# Altium PCB Slave.PcbDoc (part 9 of 11)
Units mm, origin at the board's own origin, x right, y up, seen from the top; angles counter-clockwise.
Board outline 380 x 63 mm, 4 copper layers (Top Copper, Signal Layer 1, Signal Layer 2, Bottom Copper), stack 1.586 mm thick; 256 components, 191 nets, 731 pads, 24161 vias.
Unrouted connection lines stored in the file: 14.
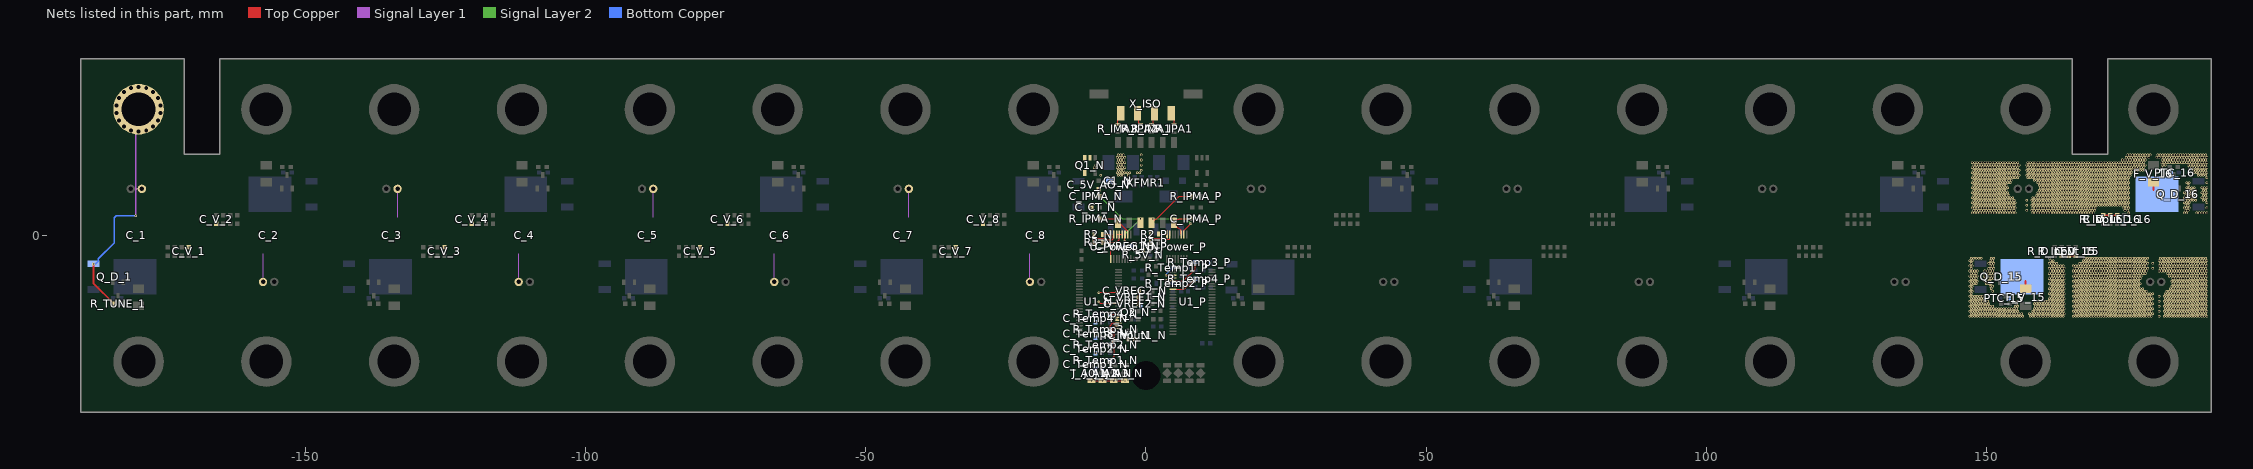
[diagram p11: the nets of this part, all layers, seen from the top]

## Via types
v1: diameter 0.45, hole 0.297, Top Copper to Bottom Copper, tented both sides, 23326 vias
v2: diameter 1, hole 0.7, Top Copper to Bottom Copper, 576 vias
v3: diameter 0.45, hole 0.2, Top Copper to Bottom Copper, 259 vias

## Nets (pads, with @x,y where several pads share a name; then routed paths per layer and width w, separated by ;. In a path a pad name is that pad's centre, name@x,y a point inside that pad or via, vN(x,y) a via of type N, cw(c..) or ccw(c..) an arc to the next point about the centre after c; other vN are vias at no path point) (continued)
F_15: C_V_15.2 F_V_15.2 PTC_15.2 Q_D_15.2 R_D_LED_15.2 R_Input_15.1 | length 3.9
  Top Copper w0.254: R_D_LED_15.2@163.35,-3.6 R_Input_15.1@164.6,-3.6 C_V_15.2@165.85,-3.6
  Top Copper w0.305: F_V_15.2@156.875,-9.48 156.875,-8.1
  other v1: 146.949,-14.45 147.399,-14.45 147.849,-14.45 148.299,-14.45 148.749,-14.45 149.199,-14.45 149.649,-14.45 150.099,-14.45 150.549,-14.45 150.999,-14.45 151.449,-14.45 151.899,-14.45 152.349,-14.45 152.799,-14.45 153.249,-14.45 153.699,-14.45 154.149,-14.45 154.599,-14.45 155.049,-14.45 155.499,-14.45 155.949,-14.45 156.399,-14.45 157.749,-14.45 158.199,-14.45 158.649,-14.45 159.099,-14.45 159.549,-14.45 159.999,-14.45 160.449,-14.45 160.899,-14.45 161.349,-14.45 161.799,-14.45 162.249,-14.45 162.699,-14.45 163.149,-14.45 163.599,-14.45 165.399,-14.45 165.849,-14.45 166.299,-14.45 166.749,-14.45 167.199,-14.45 167.649,-14.45 168.099,-14.45 168.549,-14.45 168.999,-14.45 169.449,-14.45 169.899,-14.45 170.349,-14.45 170.799,-14.45 171.249,-14.45 171.699,-14.45 172.149,-14.45 172.599,-14.45 173.049,-14.45 173.499,-14.45 173.949,-14.45 174.399,-14.45 174.849,-14.45 175.299,-14.45 175.749,-14.45 176.199,-14.45 176.649,-14.45 177.099,-14.45 177.549,-14.45 177.999,-14.45 178.449,-14.45 178.899,-14.45 179.349,-14.45 180.699,-14.45 181.599,-14.45 182.049,-14.45 182.499,-14.45 182.949,-14.45 183.399,-14.45 183.849,-14.45 184.299,-14.45 184.749,-14.45 185.199,-14.45 185.649,-14.45 186.099,-14.45 186.549,-14.45 186.999,-14.45 187.449,-14.45 187.899,-14.45 188.349,-14.45 188.799,-14.45 189.249,-14.45 147.174,-14 147.624,-14 148.074,-14 148.524,-14 148.974,-14 149.424,-14 149.874,-14 150.324,-14 150.774,-14 151.224,-14 151.674,-14 152.124,-14 152.574,-14 153.024,-14 153.474,-14 153.924,-14 154.374,-14 154.824,-14 155.274,-14 155.724,-14 156.174,-14 157.524,-14 157.974,-14 158.424,-14 158.874,-14 159.324,-14 159.774,-14 160.224,-14 160.674,-14 161.124,-14 161.574,-14 162.024,-14 162.474,-14 162.924,-14 163.374,-14 163.824,-14 165.624,-14 166.074,-14 166.524,-14 166.974,-14 167.424,-14 167.874,-14 168.324,-14 168.774,-14 169.224,-14 169.674,-14 170.124,-14 170.574,-14 171.024,-14 171.474,-14 171.924,-14 172.374,-14 172.824,-14 173.274,-14 173.724,-14 174.174,-14 174.624,-14 175.074,-14 175.524,-14 175.974,-14 176.424,-14 176.874,-14 177.324,-14 177.774,-14 178.224,-14 178.674,-14 179.124,-14 179.574,-14 181.824,-14 182.274,-14 182.724,-14 183.174,-14 183.624,-14 184.074,-14 184.524,-14 184.974,-14 185.424,-14 185.874,-14 186.324,-14 186.774,-14 187.224,-14 187.674,-14 188.124,-14 188.574,-14 189.024,-14 146.949,-13.55 147.399,-13.55 147.849,-13.55 148.299,-13.55 148.749,-13.55 149.199,-13.55 149.649,-13.55 150.099,-13.55 150.549,-13.55 150.999,-13.55 151.449,-13.55 151.899,-13.55 152.349,-13.55 152.799,-13.55 153.249,-13.55 153.699,-13.55 154.149,-13.55 154.599,-13.55 155.049,-13.55 155.499,-13.55 158.199,-13.55 158.649,-13.55 159.099,-13.55 159.549,-13.55 159.999,-13.55 160.449,-13.55 160.899,-13.55 161.349,-13.55 161.799,-13.55 162.249,-13.55 162.699,-13.55 163.149,-13.55 163.599,-13.55 165.399,-13.55 165.849,-13.55 166.299,-13.55 166.749,-13.55 167.199,-13.55 167.649,-13.55 168.099,-13.55 168.549,-13.55 168.999,-13.55 169.449,-13.55 169.899,-13.55 170.349,-13.55 170.799,-13.55 171.249,-13.55 171.699,-13.55 172.149,-13.55 172.599,-13.55 173.049,-13.55 173.499,-13.55 173.949,-13.55 174.399,-13.55 174.849,-13.55 175.299,-13.55 175.749,-13.55 176.199,-13.55 176.649,-13.55 177.099,-13.55 177.549,-13.55 177.999,-13.55 178.449,-13.55 178.899,-13.55 179.349,-13.55 180.699,-13.55 181.599,-13.55 182.049,-13.55 182.499,-13.55 182.949,-13.55 183.399,-13.55 183.849,-13.55 184.299,-13.55 184.749,-13.55 185.199,-13.55 185.649,-13.55 186.099,-13.55 186.549,-13.55 186.999,-13.55 187.449,-13.55 187.899,-13.55 188.349,-13.55 188.799,-13.55 189.249,-13.55 147.174,-13.1 147.624,-13.1 148.074,-13.1 148.524,-13.1 148.974,-13.1 149.424,-13.1 149.874,-13.1 150.324,-13.1 150.774,-13.1 151.224,-13.1 151.674,-13.1 152.124,-13.1 152.574,-13.1 153.024,-13.1 153.474,-13.1 153.924,-13.1 154.374,-13.1 154.824,-13.1 155.274,-13.1 158.424,-13.1 158.874,-13.1 159.324,-13.1 159.774,-13.1 160.224,-13.1 160.674,-13.1 161.124,-13.1 161.574,-13.1 162.024,-13.1 162.474,-13.1 162.924,-13.1 163.374,-13.1 163.824,-13.1 165.624,-13.1 166.074,-13.1 166.524,-13.1 166.974,-13.1 167.424,-13.1 167.874,-13.1 168.324,-13.1 168.774,-13.1 169.224,-13.1 169.674,-13.1 170.124,-13.1 170.574,-13.1 171.024,-13.1 171.474,-13.1 171.924,-13.1 172.374,-13.1 172.824,-13.1 173.274,-13.1 173.724,-13.1 174.174,-13.1 174.624,-13.1 175.074,-13.1 175.524,-13.1 175.974,-13.1 176.424,-13.1 176.874,-13.1 177.324,-13.1 177.774,-13.1 178.224,-13.1 178.674,-13.1 179.124,-13.1 179.574,-13.1 181.824,-13.1 182.274,-13.1 182.724,-13.1 183.174,-13.1 183.624,-13.1 184.074,-13.1 184.524,-13.1 184.974,-13.1 185.424,-13.1 185.874,-13.1 186.324,-13.1 186.774,-13.1 187.224,-13.1 187.674,-13.1 188.124,-13.1 188.574,-13.1 189.024,-13.1 146.949,-12.65 147.399,-12.65 147.849,-12.65 148.299,-12.65 148.749,-12.65 149.199,-12.65 149.649,-12.65 150.099,-12.65 150.549,-12.65 150.999,-12.65 155.049,-12.65 155.499,-12.65 158.649,-12.65 159.099,-12.65 159.549,-12.65 159.999,-12.65 160.449,-12.65 160.899,-12.65 161.349,-12.65 161.799,-12.65 162.249,-12.65 162.699,-12.65 163.149,-12.65 163.599,-12.65 165.399,-12.65 165.849,-12.65 166.299,-12.65 166.749,-12.65 167.199,-12.65 167.649,-12.65 168.099,-12.65 168.549,-12.65 168.999,-12.65 169.449,-12.65 169.899,-12.65 170.349,-12.65 170.799,-12.65 171.249,-12.65 171.699,-12.65 172.149,-12.65 172.599,-12.65 173.049,-12.65 173.499,-12.65 173.949,-12.65 174.399,-12.65 174.849,-12.65 175.299,-12.65 175.749,-12.65 176.199,-12.65 176.649,-12.65 177.099,-12.65 177.549,-12.65 177.999,-12.65 178.449,-12.65 178.899,-12.65 179.349,-12.65 180.699,-12.65 181.599,-12.65 182.049,-12.65 182.499,-12.65 182.949,-12.65 183.399,-12.65 183.849,-12.65 184.299,-12.65 184.749,-12.65 185.199,-12.65 185.649,-12.65 186.099,-12.65 186.549,-12.65 186.999,-12.65 187.449,-12.65 187.899,-12.65 188.349,-12.65 188.799,-12.65 189.249,-12.65 147.174,-12.2 147.624,-12.2 148.074,-12.2 148.524,-12.2 148.974,-12.2 149.424,-12.2 149.874,-12.2 150.324,-12.2 155.274,-12.2 158.424,-12.2 158.874,-12.2 159.324,-12.2 159.774,-12.2 160.224,-12.2 160.674,-12.2 161.124,-12.2 161.574,-12.2 162.024,-12.2 162.474,-12.2 162.924,-12.2 163.374,-12.2 163.824,-12.2 165.624,-12.2 166.074,-12.2 166.524,-12.2 166.974,-12.2 167.424,-12.2 167.874,-12.2 168.324,-12.2 168.774,-12.2 169.224,-12.2 169.674,-12.2 170.124,-12.2 170.574,-12.2 171.024,-12.2 171.474,-12.2 171.924,-12.2 172.374,-12.2 172.824,-12.2 173.274,-12.2 173.724,-12.2 174.174,-12.2 174.624,-12.2 175.074,-12.2 175.524,-12.2 175.974,-12.2 176.424,-12.2 176.874,-12.2 177.324,-12.2 177.774,-12.2 178.224,-12.2 178.674,-12.2 179.124,-12.2 179.574,-12.2 181.824,-12.2 182.274,-12.2 182.724,-12.2 183.174,-12.2 183.624,-12.2 184.074,-12.2 184.524,-12.2 184.974,-12.2 185.424,-12.2 185.874,-12.2 186.324,-12.2 186.774,-12.2 187.224,-12.2 187.674,-12.2 188.124,-12.2 188.574,-12.2 189.024,-12.2 146.949,-11.75 147.399,-11.75 147.849,-11.75 148.299,-11.75 148.749,-11.75 149.199,-11.75 149.649,-11.75 150.099,-11.75 155.499,-11.75 158.649,-11.75 159.099,-11.75 159.549,-11.75 159.999,-11.75 160.449,-11.75 160.899,-11.75 161.349,-11.75 161.799,-11.75 162.249,-11.75 162.699,-11.75 163.149,-11.75 163.599,-11.75 165.399,-11.75 165.849,-11.75 166.299,-11.75 166.749,-11.75 167.199,-11.75 167.649,-11.75 168.099,-11.75 168.549,-11.75 168.999,-11.75 169.449,-11.75 169.899,-11.75 170.349,-11.75 170.799,-11.75 171.249,-11.75 171.699,-11.75 172.149,-11.75 172.599,-11.75 173.049,-11.75 173.499,-11.75 173.949,-11.75 174.399,-11.75 174.849,-11.75 175.299,-11.75 175.749,-11.75 176.199,-11.75 176.649,-11.75 177.099,-11.75 177.549,-11.75 177.999,-11.75 178.449,-11.75 178.899,-11.75 179.349,-11.75 180.699,-11.75 181.599,-11.75 182.049,-11.75 182.499,-11.75 182.949,-11.75 183.399,-11.75 183.849,-11.75 184.299,-11.75 184.749,-11.75 185.199,-11.75 185.649,-11.75 186.099,-11.75 186.549,-11.75 186.999,-11.75 187.449,-11.75 187.899,-11.75 188.349,-11.75 188.799,-11.75 189.249,-11.75 147.174,-11.3 147.624,-11.3 148.074,-11.3 148.524,-11.3 148.974,-11.3 149.424,-11.3 161.124,-11.3 161.574,-11.3 162.024,-11.3 162.474,-11.3 162.924,-11.3 163.374,-11.3 163.824,-11.3 165.624,-11.3 166.074,-11.3 166.524,-11.3 166.974,-11.3 167.424,-11.3 167.874,-11.3 168.324,-11.3 168.774,-11.3 169.224,-11.3 169.674,-11.3 170.124,-11.3 170.574,-11.3 171.024,-11.3 171.474,-11.3 171.924,-11.3 172.374,-11.3 172.824,-11.3 173.274,-11.3 173.724,-11.3 174.174,-11.3 174.624,-11.3 175.074,-11.3 175.524,-11.3 175.974,-11.3 176.424,-11.3 176.874,-11.3 177.324,-11.3 177.774,-11.3 178.224,-11.3 178.674,-11.3 179.124,-11.3 179.574,-11.3 181.824,-11.3 182.274,-11.3 182.724,-11.3 183.174,-11.3 183.624,-11.3 184.074,-11.3 184.524,-11.3 184.974,-11.3 185.424,-11.3 185.874,-11.3 186.324,-11.3 186.774,-11.3 187.224,-11.3 187.674,-11.3 188.124,-11.3 188.574,-11.3 189.024,-11.3 146.949,-10.85 147.399,-10.85 147.849,-10.85 148.299,-10.85 148.749,-10.85 149.199,-10.85 161.349,-10.85 161.799,-10.85 162.249,-10.85 162.699,-10.85 163.149,-10.85 163.599,-10.85 165.399,-10.85 165.849,-10.85 166.299,-10.85 166.749,-10.85 167.199,-10.85 167.649,-10.85 168.099,-10.85 168.549,-10.85 168.999,-10.85 169.449,-10.85 169.899,-10.85 170.349,-10.85 170.799,-10.85 171.249,-10.85 171.699,-10.85 172.149,-10.85 172.599,-10.85 173.049,-10.85 173.499,-10.85 173.949,-10.85 174.399,-10.85 174.849,-10.85 175.299,-10.85 175.749,-10.85 176.199,-10.85 176.649,-10.85 177.099,-10.85 177.549,-10.85 177.999,-10.85 178.449,-10.85 178.899,-10.85 179.349,-10.85 180.699,-10.85 181.599,-10.85 182.049,-10.85 182.499,-10.85 182.949,-10.85 183.399,-10.85 183.849,-10.85 184.299,-10.85 184.749,-10.85 185.199,-10.85 185.649,-10.85 186.099,-10.85 186.549,-10.85 186.999,-10.85 187.449,-10.85 187.899,-10.85 188.349,-10.85 188.799,-10.85 189.249,-10.85 147.174,-10.4 161.124,-10.4 161.574,-10.4 162.024,-10.4 162.474,-10.4 162.924,-10.4 163.374,-10.4 163.824,-10.4 165.624,-10.4 166.074,-10.4 166.524,-10.4 166.974,-10.4 167.424,-10.4 167.874,-10.4 168.324,-10.4 168.774,-10.4 169.224,-10.4 169.674,-10.4 170.124,-10.4 170.574,-10.4 171.024,-10.4 171.474,-10.4 171.924,-10.4 172.374,-10.4 172.824,-10.4 173.274,-10.4 173.724,-10.4 174.174,-10.4 174.624,-10.4 175.074,-10.4 175.524,-10.4 175.974,-10.4 176.424,-10.4 176.874,-10.4 177.324,-10.4 177.774,-10.4 178.224,-10.4 178.674,-10.4 179.124,-10.4 179.574,-10.4 181.824,-10.4 182.274,-10.4 182.724,-10.4 183.174,-10.4 183.624,-10.4 184.074,-10.4 184.524,-10.4 184.974,-10.4 185.424,-10.4 185.874,-10.4 186.324,-10.4 186.774,-10.4 187.224,-10.4 187.674,-10.4 188.124,-10.4 188.574,-10.4 189.024,-10.4 146.949,-9.95 147.399,-9.95 150.999,-9.95 161.349,-9.95 161.799,-9.95 162.249,-9.95 162.699,-9.95 163.149,-9.95 163.599,-9.95 165.399,-9.95 165.849,-9.95 166.299,-9.95 166.749,-9.95 167.199,-9.95 167.649,-9.95 168.099,-9.95 168.549,-9.95 168.999,-9.95 169.449,-9.95 169.899,-9.95 170.349,-9.95 170.799,-9.95 171.249,-9.95 171.699,-9.95 172.149,-9.95 172.599,-9.95 173.049,-9.95 173.499,-9.95 173.949,-9.95 174.399,-9.95 174.849,-9.95 175.299,-9.95 175.749,-9.95 176.199,-9.95 176.649,-9.95 177.099,-9.95 177.549,-9.95 177.999,-9.95 178.449,-9.95 182.049,-9.95 182.499,-9.95 182.949,-9.95 183.399,-9.95 183.849,-9.95 184.299,-9.95 184.749,-9.95 185.199,-9.95 185.649,-9.95 186.099,-9.95 186.549,-9.95 186.999,-9.95 187.449,-9.95 187.899,-9.95 188.349,-9.95 188.799,-9.95 189.249,-9.95 147.174,-9.5 150.774,-9.5 161.124,-9.5 161.574,-9.5 162.024,-9.5 162.474,-9.5 162.924,-9.5 163.374,-9.5 163.824,-9.5 165.624,-9.5 166.074,-9.5 166.524,-9.5 166.974,-9.5 167.424,-9.5 167.874,-9.5 168.324,-9.5 168.774,-9.5 169.224,-9.5 169.674,-9.5 170.124,-9.5 170.574,-9.5 171.024,-9.5 171.474,-9.5 171.924,-9.5 172.374,-9.5 172.824,-9.5 173.274,-9.5 173.724,-9.5 174.174,-9.5 174.624,-9.5 175.074,-9.5 175.524,-9.5 175.974,-9.5 176.424,-9.5 176.874,-9.5 177.324,-9.5 177.774,-9.5 182.724,-9.5 183.174,-9.5 183.624,-9.5 184.074,-9.5 184.524,-9.5 184.974,-9.5 185.424,-9.5 185.874,-9.5 186.324,-9.5 186.774,-9.5 187.224,-9.5 187.674,-9.5 188.124,-9.5 188.574,-9.5 189.024,-9.5 146.949,-9.05 147.399,-9.05 150.549,-9.05 150.999,-9.05 161.349,-9.05 161.799,-9.05 162.249,-9.05 162.699,-9.05 163.149,-9.05 163.599,-9.05 165.399,-9.05 165.849,-9.05 166.299,-9.05 166.749,-9.05 167.199,-9.05 167.649,-9.05 168.099,-9.05 168.549,-9.05 168.999,-9.05 169.449,-9.05 169.899,-9.05 170.349,-9.05 170.799,-9.05 171.249,-9.05 171.699,-9.05 172.149,-9.05 172.599,-9.05 173.049,-9.05 173.499,-9.05 173.949,-9.05 174.399,-9.05 174.849,-9.05 175.299,-9.05 175.749,-9.05 176.199,-9.05 176.649,-9.05 177.099,-9.05 182.949,-9.05 183.399,-9.05 183.849,-9.05 184.299,-9.05 184.749,-9.05 185.199,-9.05 185.649,-9.05 186.099,-9.05 186.549,-9.05 186.999,-9.05 187.449,-9.05 187.899,-9.05 188.349,-9.05 188.799,-9.05 189.249,-9.05 147.174,-8.6 147.624,-8.6 148.074,-8.6 149.874,-8.6 150.324,-8.6 150.774,-8.6 161.124,-8.6 161.574,-8.6 162.024,-8.6 162.474,-8.6 162.924,-8.6 163.374,-8.6 163.824,-8.6 165.624,-8.6 166.074,-8.6 166.524,-8.6 166.974,-8.6 167.424,-8.6 167.874,-8.6 168.324,-8.6 168.774,-8.6 169.224,-8.6 169.674,-8.6 170.124,-8.6 170.574,-8.6 171.024,-8.6 171.474,-8.6 171.924,-8.6 172.374,-8.6 172.824,-8.6 173.274,-8.6 173.724,-8.6 174.174,-8.6 174.624,-8.6 175.074,-8.6 175.524,-8.6 175.974,-8.6 176.424,-8.6 176.874,-8.6 177.324,-8.6 183.174,-8.6 183.624,-8.6 184.074,-8.6 184.524,-8.6 184.974,-8.6 185.424,-8.6 185.874,-8.6 186.324,-8.6 186.774,-8.6 187.224,-8.6 187.674,-8.6 188.124,-8.6 188.574,-8.6 189.024,-8.6 146.949,-8.15 147.399,-8.15 147.849,-8.15 148.299,-8.15 149.649,-8.15 150.099,-8.15 150.549,-8.15 161.349,-8.15 161.799,-8.15 162.249,-8.15 162.699,-8.15 163.149,-8.15 163.599,-8.15 165.399,-8.15 165.849,-8.15 166.299,-8.15 166.749,-8.15 167.199,-8.15 167.649,-8.15 168.099,-8.15 168.549,-8.15 168.999,-8.15 169.449,-8.15 169.899,-8.15 170.349,-8.15 170.799,-8.15 171.249,-8.15 171.699,-8.15 172.149,-8.15 172.599,-8.15 173.049,-8.15 173.499,-8.15 173.949,-8.15 174.399,-8.15 174.849,-8.15 175.299,-8.15 175.749,-8.15 176.199,-8.15 176.649,-8.15 177.099,-8.15 182.949,-8.15 183.399,-8.15 183.849,-8.15 184.299,-8.15 184.749,-8.15 185.199,-8.15 185.649,-8.15 186.099,-8.15 186.549,-8.15 186.999,-8.15 187.449,-8.15 187.899,-8.15 188.349,-8.15 188.799,-8.15 189.249,-8.15 147.174,-7.7 147.624,-7.7 148.074,-7.7 149.424,-7.7 149.874,-7.7 150.324,-7.7 150.774,-7.7 151.224,-7.7 161.124,-7.7 161.574,-7.7 162.024,-7.7 162.474,-7.7 162.924,-7.7 163.374,-7.7 163.824,-7.7 165.624,-7.7 166.074,-7.7 166.524,-7.7 166.974,-7.7 167.424,-7.7 167.874,-7.7 168.324,-7.7 168.774,-7.7 169.224,-7.7 169.674,-7.7 170.124,-7.7 170.574,-7.7 171.024,-7.7 171.474,-7.7 171.924,-7.7 172.374,-7.7 172.824,-7.7 173.274,-7.7 173.724,-7.7 174.174,-7.7 174.624,-7.7 175.074,-7.7 175.524,-7.7 175.974,-7.7 176.424,-7.7 176.874,-7.7 177.324,-7.7 183.174,-7.7 183.624,-7.7 184.074,-7.7 184.524,-7.7 184.974,-7.7 185.424,-7.7 185.874,-7.7 186.324,-7.7 186.774,-7.7 187.224,-7.7 187.674,-7.7 188.124,-7.7 188.574,-7.7 189.024,-7.7 146.949,-7.25 147.399,-7.25 147.849,-7.25 148.299,-7.25 149.649,-7.25 150.099,-7.25 150.549,-7.25 150.999,-7.25 161.349,-7.25 161.799,-7.25 162.249,-7.25 162.699,-7.25 163.149,-7.25 163.599,-7.25 165.399,-7.25 165.849,-7.25 166.299,-7.25 166.749,-7.25 167.199,-7.25 167.649,-7.25 168.099,-7.25 168.549,-7.25 168.999,-7.25 169.449,-7.25 169.899,-7.25 170.349,-7.25 170.799,-7.25 171.249,-7.25 171.699,-7.25 172.149,-7.25 172.599,-7.25 173.049,-7.25 173.499,-7.25 173.949,-7.25 174.399,-7.25 174.849,-7.25 175.299,-7.25 175.749,-7.25 176.199,-7.25 176.649,-7.25 177.099,-7.25 177.549,-7.25 182.499,-7.25 182.949,-7.25 183.399,-7.25 183.849,-7.25 184.299,-7.25 184.749,-7.25 185.199,-7.25 185.649,-7.25 186.099,-7.25 186.549,-7.25 186.999,-7.25 187.449,-7.25 187.899,-7.25 188.349,-7.25 188.799,-7.25 189.249,-7.25 147.174,-6.8 147.624,-6.8 148.074,-6.8 149.424,-6.8 149.874,-6.8 150.324,-6.8 150.774,-6.8 151.224,-6.8 161.124,-6.8 161.574,-6.8 162.024,-6.8 162.474,-6.8 162.924,-6.8 163.374,-6.8 163.824,-6.8 165.624,-6.8 166.074,-6.8 166.524,-6.8 166.974,-6.8 167.424,-6.8 167.874,-6.8 168.324,-6.8 168.774,-6.8 169.224,-6.8 169.674,-6.8 170.124,-6.8 170.574,-6.8 171.024,-6.8 171.474,-6.8 171.924,-6.8 172.374,-6.8 172.824,-6.8 173.274,-6.8 173.724,-6.8 174.174,-6.8 174.624,-6.8 175.074,-6.8 175.524,-6.8 175.974,-6.8 176.424,-6.8 176.874,-6.8 177.324,-6.8 177.774,-6.8 178.224,-6.8 182.274,-6.8 182.724,-6.8 183.174,-6.8 183.624,-6.8 184.074,-6.8 184.524,-6.8 184.974,-6.8 185.424,-6.8 185.874,-6.8 186.324,-6.8 186.774,-6.8 187.224,-6.8 187.674,-6.8 188.124,-6.8 188.574,-6.8 189.024,-6.8 146.949,-6.35 147.399,-6.35 147.849,-6.35 148.299,-6.35 149.649,-6.35 150.099,-6.35 150.549,-6.35 150.999,-6.35 161.349,-6.35 161.799,-6.35 162.249,-6.35 162.699,-6.35 163.149,-6.35 163.599,-6.35 165.399,-6.35 165.849,-6.35 166.299,-6.35 166.749,-6.35 167.199,-6.35 167.649,-6.35 168.099,-6.35 168.549,-6.35 168.999,-6.35 169.449,-6.35 169.899,-6.35 170.349,-6.35 170.799,-6.35 171.249,-6.35 171.699,-6.35 172.149,-6.35 172.599,-6.35 173.049,-6.35 173.499,-6.35 173.949,-6.35 174.399,-6.35 174.849,-6.35 175.299,-6.35 175.749,-6.35 176.199,-6.35 176.649,-6.35 177.099,-6.35 177.549,-6.35 177.999,-6.35 178.449,-6.35 180.699,-6.35 181.149,-6.35 181.599,-6.35 182.049,-6.35 182.499,-6.35 182.949,-6.35 183.399,-6.35 183.849,-6.35 184.299,-6.35 184.749,-6.35 185.199,-6.35 185.649,-6.35 186.099,-6.35 186.549,-6.35 186.999,-6.35 187.449,-6.35 187.899,-6.35 188.349,-6.35 188.799,-6.35 189.249,-6.35 147.174,-5.9 150.324,-5.9 150.774,-5.9 151.224,-5.9 161.124,-5.9 161.574,-5.9 162.024,-5.9 162.474,-5.9 162.924,-5.9 163.374,-5.9 163.824,-5.9 165.624,-5.9 166.074,-5.9 166.524,-5.9 166.974,-5.9 167.424,-5.9 167.874,-5.9 168.324,-5.9 168.774,-5.9 169.224,-5.9 169.674,-5.9 170.124,-5.9 170.574,-5.9 171.024,-5.9 171.474,-5.9 171.924,-5.9 172.374,-5.9 172.824,-5.9 173.274,-5.9 173.724,-5.9 174.174,-5.9 174.624,-5.9 175.074,-5.9 175.524,-5.9 175.974,-5.9 176.424,-5.9 176.874,-5.9 177.324,-5.9 177.774,-5.9 178.224,-5.9 178.674,-5.9 179.574,-5.9 180.924,-5.9 181.374,-5.9 181.824,-5.9 182.274,-5.9 182.724,-5.9 183.174,-5.9 183.624,-5.9 184.074,-5.9 184.524,-5.9 184.974,-5.9 185.424,-5.9 185.874,-5.9 186.324,-5.9 186.774,-5.9 187.224,-5.9 187.674,-5.9 188.124,-5.9 188.574,-5.9 189.024,-5.9 146.949,-5.45 147.399,-5.45 150.549,-5.45 150.999,-5.45 161.349,-5.45 161.799,-5.45 162.249,-5.45 162.699,-5.45 163.149,-5.45 163.599,-5.45 165.399,-5.45 165.849,-5.45 166.299,-5.45 166.749,-5.45 167.199,-5.45 167.649,-5.45 168.099,-5.45 168.549,-5.45 168.999,-5.45 169.449,-5.45 169.899,-5.45 170.349,-5.45 170.799,-5.45 171.249,-5.45 171.699,-5.45 172.149,-5.45 172.599,-5.45 173.049,-5.45 173.499,-5.45 173.949,-5.45 174.399,-5.45 174.849,-5.45 175.299,-5.45 175.749,-5.45 176.199,-5.45 176.649,-5.45 177.099,-5.45 177.549,-5.45 177.999,-5.45 178.449,-5.45 180.699,-5.45 181.149,-5.45 181.599,-5.45 182.049,-5.45 182.499,-5.45 182.949,-5.45 183.399,-5.45 183.849,-5.45 184.299,-5.45 184.749,-5.45 185.199,-5.45 185.649,-5.45 186.099,-5.45 186.549,-5.45 186.999,-5.45 187.449,-5.45 187.899,-5.45 188.349,-5.45 188.799,-5.45 189.249,-5.45 147.174,-5 150.324,-5 150.774,-5 151.224,-5 161.124,-5 161.574,-5 162.024,-5 162.474,-5 166.524,-5 166.974,-5 167.424,-5 167.874,-5 168.324,-5 168.774,-5 169.224,-5 169.674,-5 170.124,-5 170.574,-5 171.024,-5 171.474,-5 171.924,-5 172.374,-5 172.824,-5 173.274,-5 173.724,-5 174.174,-5 174.624,-5 175.074,-5 175.524,-5 175.974,-5 176.424,-5 176.874,-5 177.324,-5 177.774,-5 178.224,-5 178.674,-5 179.574,-5 180.924,-5 181.374,-5 181.824,-5 182.274,-5 182.724,-5 183.174,-5 183.624,-5 184.074,-5 184.524,-5 184.974,-5 185.424,-5 185.874,-5 186.324,-5 186.774,-5 187.224,-5 187.674,-5 188.124,-5 188.574,-5 189.024,-5 146.949,-4.55 147.399,-4.55 150.549,-4.55 150.999,-4.55 161.349,-4.55 161.799,-4.55 167.199,-4.55 167.649,-4.55 168.099,-4.55 168.549,-4.55 168.999,-4.55 169.449,-4.55 169.899,-4.55 170.349,-4.55 170.799,-4.55 171.249,-4.55 171.699,-4.55 172.149,-4.55 172.599,-4.55 173.049,-4.55 173.499,-4.55 173.949,-4.55 174.399,-4.55 174.849,-4.55 175.299,-4.55 175.749,-4.55 176.199,-4.55 176.649,-4.55 177.099,-4.55 177.549,-4.55 177.999,-4.55 178.449,-4.55 180.699,-4.55 181.149,-4.55 181.599,-4.55 182.049,-4.55 182.499,-4.55 182.949,-4.55 183.399,-4.55 183.849,-4.55 184.299,-4.55 184.749,-4.55 185.199,-4.55 185.649,-4.55 186.099,-4.55 186.549,-4.55 186.999,-4.55 187.449,-4.55 187.899,-4.55 188.349,-4.55 188.799,-4.55 189.249,-4.55 147.174,-4.1 147.624,-4.1 148.074,-4.1 148.524,-4.1 148.974,-4.1 150.774,-4.1 151.224,-4.1 161.124,-4.1 167.424,-4.1 167.874,-4.1 168.324,-4.1 168.774,-4.1 169.224,-4.1 169.674,-4.1 170.124,-4.1 170.574,-4.1 171.024,-4.1 171.474,-4.1 171.924,-4.1 172.374,-4.1 172.824,-4.1 173.274,-4.1 173.724,-4.1 174.174,-4.1 174.624,-4.1 175.074,-4.1 175.524,-4.1 175.974,-4.1 176.424,-4.1 176.874,-4.1 177.324,-4.1 177.774,-4.1 178.224,-4.1 178.674,-4.1 180.924,-4.1 181.374,-4.1 181.824,-4.1 182.274,-4.1 182.724,-4.1 183.174,-4.1 183.624,-4.1 184.074,-4.1 184.524,-4.1 184.974,-4.1 185.424,-4.1 185.874,-4.1 186.324,-4.1 186.774,-4.1 187.224,-4.1 187.674,-4.1 188.124,-4.1 188.574,-4.1 189.024,-4.1
F_16: C_V_16.2 F_V_16.2 PTC_16.2 Q_D_16.2 R_D_LED_16.2 R_Input_16.1 | length 3.9
  Top Copper w0.254: C_V_16.2@170.75,3.6 R_Input_16.1@172,3.6 R_D_LED_16.2@173.25,3.6
  Top Copper w0.305: 179.725,8.1 F_V_16.2@179.725,9.48
  other v1: 147.399,4 147.849,4 148.299,4 148.749,4 149.199,4 149.649,4 150.099,4 150.549,4 150.999,4 151.449,4 151.899,4 152.349,4 152.799,4 153.249,4 153.699,4 154.149,4 154.599,4 155.049,4 158.199,4 158.649,4 159.099,4 159.549,4 159.999,4 160.449,4 160.899,4 161.349,4 161.799,4 162.249,4 162.699,4 163.149,4 163.599,4 164.049,4 164.499,4 164.949,4 165.399,4 165.849,4 166.299,4 166.749,4 167.199,4 167.649,4 168.099,4 168.549,4 168.999,4 175.299,4 185.199,4 185.649,4 187.449,4 187.899,4 188.349,4 188.799,4 189.249,4 147.624,4.45 148.074,4.45 148.524,4.45 148.974,4.45 149.424,4.45 149.874,4.45 150.324,4.45 150.774,4.45 151.224,4.45 151.674,4.45 152.124,4.45 152.574,4.45 153.024,4.45 153.474,4.45 153.924,4.45 154.374,4.45 154.824,4.45 157.074,4.45 157.974,4.45 158.424,4.45 158.874,4.45 159.324,4.45 159.774,4.45 160.224,4.45 160.674,4.45 161.124,4.45 161.574,4.45 162.024,4.45 162.474,4.45 162.924,4.45 163.374,4.45 163.824,4.45 164.274,4.45 164.724,4.45 165.174,4.45 165.624,4.45 166.074,4.45 166.524,4.45 166.974,4.45 167.424,4.45 167.874,4.45 168.324,4.45 168.774,4.45 169.224,4.45 174.624,4.45 175.074,4.45 185.424,4.45 185.874,4.45 147.399,4.9 147.849,4.9 148.299,4.9 148.749,4.9 149.199,4.9 149.649,4.9 150.099,4.9 150.549,4.9 150.999,4.9 151.449,4.9 151.899,4.9 152.349,4.9 152.799,4.9 153.249,4.9 153.699,4.9 154.149,4.9 154.599,4.9 155.049,4.9 158.199,4.9 158.649,4.9 159.099,4.9 159.549,4.9 159.999,4.9 160.449,4.9 160.899,4.9 161.349,4.9 161.799,4.9 162.249,4.9 162.699,4.9 163.149,4.9 163.599,4.9 164.049,4.9 164.499,4.9 164.949,4.9 165.399,4.9 165.849,4.9 166.299,4.9 166.749,4.9 167.199,4.9 167.649,4.9 168.099,4.9 168.549,4.9 168.999,4.9 169.449,4.9 174.399,4.9 174.849,4.9 175.299,4.9 185.199,4.9 185.649,4.9 186.099,4.9 189.249,4.9 147.624,5.35 148.074,5.35 148.524,5.35 148.974,5.35 149.424,5.35 149.874,5.35 150.324,5.35 150.774,5.35 151.224,5.35 151.674,5.35 152.124,5.35 152.574,5.35 153.024,5.35 153.474,5.35 153.924,5.35 154.374,5.35 154.824,5.35 157.074,5.35 157.974,5.35 158.424,5.35 158.874,5.35 159.324,5.35 159.774,5.35 160.224,5.35 160.674,5.35 161.124,5.35 161.574,5.35 162.024,5.35 162.474,5.35 162.924,5.35 163.374,5.35 163.824,5.35 164.274,5.35 164.724,5.35 165.174,5.35 165.624,5.35 166.074,5.35 166.524,5.35 166.974,5.35 167.424,5.35 167.874,5.35 168.324,5.35 168.774,5.35 169.224,5.35 169.674,5.35 170.124,5.35 170.574,5.35 171.024,5.35 171.474,5.35 171.924,5.35 172.374,5.35 172.824,5.35 173.274,5.35 173.724,5.35 174.174,5.35 174.624,5.35 175.074,5.35 185.424,5.35 185.874,5.35 147.399,5.8 147.849,5.8 148.299,5.8 148.749,5.8 149.199,5.8 149.649,5.8 150.099,5.8 150.549,5.8 150.999,5.8 151.449,5.8 151.899,5.8 152.349,5.8 152.799,5.8 153.249,5.8 153.699,5.8 154.149,5.8 154.599,5.8 155.049,5.8 158.199,5.8 158.649,5.8 159.099,5.8 159.549,5.8 159.999,5.8 160.449,5.8 160.899,5.8 161.349,5.8 161.799,5.8 162.249,5.8 162.699,5.8 163.149,5.8 163.599,5.8 164.049,5.8 164.499,5.8 164.949,5.8 165.399,5.8 165.849,5.8 166.299,5.8 166.749,5.8 167.199,5.8 167.649,5.8 168.099,5.8 168.549,5.8 168.999,5.8 169.449,5.8 169.899,5.8 170.349,5.8 170.799,5.8 171.249,5.8 171.699,5.8 172.149,5.8 172.599,5.8 173.049,5.8 173.499,5.8 173.949,5.8 174.399,5.8 174.849,5.8 175.299,5.8 185.199,5.8 185.649,5.8 186.099,5.8 189.249,5.8 147.624,6.25 148.074,6.25 148.524,6.25 148.974,6.25 149.424,6.25 149.874,6.25 150.324,6.25 150.774,6.25 151.224,6.25 151.674,6.25 152.124,6.25 152.574,6.25 153.024,6.25 153.474,6.25 153.924,6.25 154.374,6.25 154.824,6.25 157.074,6.25 157.974,6.25 158.424,6.25 158.874,6.25 159.324,6.25 159.774,6.25 160.224,6.25 160.674,6.25 161.124,6.25 161.574,6.25 162.024,6.25 162.474,6.25 162.924,6.25 163.374,6.25 163.824,6.25 164.274,6.25 164.724,6.25 165.174,6.25 165.624,6.25 166.074,6.25 166.524,6.25 166.974,6.25 167.424,6.25 167.874,6.25 168.324,6.25 168.774,6.25 169.224,6.25 169.674,6.25 170.124,6.25 170.574,6.25 171.024,6.25 171.474,6.25 171.924,6.25 172.374,6.25 172.824,6.25 173.274,6.25 173.724,6.25 174.174,6.25 174.624,6.25 175.074,6.25 185.424,6.25 185.874,6.25 186.324,6.25 186.774,6.25 187.224,6.25 188.574,6.25 189.024,6.25 147.399,6.7 147.849,6.7 148.299,6.7 148.749,6.7 149.199,6.7 149.649,6.7 150.099,6.7 150.549,6.7 150.999,6.7 151.449,6.7 151.899,6.7 152.349,6.7 152.799,6.7 153.249,6.7 153.699,6.7 154.149,6.7 154.599,6.7 158.199,6.7 158.649,6.7 159.099,6.7 159.549,6.7 159.999,6.7 160.449,6.7 160.899,6.7 161.349,6.7 161.799,6.7 162.249,6.7 162.699,6.7 163.149,6.7 163.599,6.7 164.049,6.7 164.499,6.7 164.949,6.7 165.399,6.7 165.849,6.7 166.299,6.7 166.749,6.7 167.199,6.7 167.649,6.7 168.099,6.7 168.549,6.7 168.999,6.7 169.449,6.7 169.899,6.7 170.349,6.7 170.799,6.7 171.249,6.7 171.699,6.7 172.149,6.7 172.599,6.7 173.049,6.7 173.499,6.7 173.949,6.7 174.399,6.7 174.849,6.7 175.299,6.7 185.199,6.7 185.649,6.7 186.099,6.7 186.549,6.7 186.999,6.7 188.349,6.7 188.799,6.7 189.249,6.7 147.624,7.15 148.074,7.15 148.524,7.15 148.974,7.15 149.424,7.15 149.874,7.15 150.324,7.15 150.774,7.15 151.224,7.15 151.674,7.15 152.124,7.15 152.574,7.15 153.024,7.15 153.474,7.15 153.924,7.15 158.874,7.15 159.324,7.15 159.774,7.15 160.224,7.15 160.674,7.15 161.124,7.15 161.574,7.15 162.024,7.15 162.474,7.15 162.924,7.15 163.374,7.15 163.824,7.15 164.274,7.15 164.724,7.15 165.174,7.15 165.624,7.15 166.074,7.15 166.524,7.15 166.974,7.15 167.424,7.15 167.874,7.15 168.324,7.15 168.774,7.15 169.224,7.15 169.674,7.15 170.124,7.15 170.574,7.15 171.024,7.15 171.474,7.15 171.924,7.15 172.374,7.15 172.824,7.15 173.274,7.15 173.724,7.15 174.174,7.15 174.624,7.15 175.074,7.15 185.424,7.15 185.874,7.15 186.324,7.15 186.774,7.15 187.224,7.15 188.574,7.15 189.024,7.15 147.399,7.6 147.849,7.6 148.299,7.6 148.749,7.6 149.199,7.6 149.649,7.6 150.099,7.6 150.549,7.6 150.999,7.6 151.449,7.6 151.899,7.6 152.349,7.6 152.799,7.6 153.249,7.6 153.699,7.6 159.099,7.6 159.549,7.6 159.999,7.6 160.449,7.6 160.899,7.6 161.349,7.6 161.799,7.6 162.249,7.6 162.699,7.6 163.149,7.6 163.599,7.6 164.049,7.6 164.499,7.6 164.949,7.6 165.399,7.6 165.849,7.6 166.299,7.6 166.749,7.6 167.199,7.6 167.649,7.6 168.099,7.6 168.549,7.6 168.999,7.6 169.449,7.6 169.899,7.6 170.349,7.6 170.799,7.6 171.249,7.6 171.699,7.6 172.149,7.6 172.599,7.6 173.049,7.6 173.499,7.6 173.949,7.6 174.399,7.6 174.849,7.6 175.299,7.6 185.199,7.6 185.649,7.6 186.099,7.6 186.549,7.6 186.999,7.6 188.349,7.6 188.799,7.6 189.249,7.6 147.624,8.05 148.074,8.05 148.524,8.05 148.974,8.05 149.424,8.05 149.874,8.05 150.324,8.05 150.774,8.05 151.224,8.05 151.674,8.05 152.124,8.05 152.574,8.05 153.024,8.05 153.474,8.05 159.324,8.05 159.774,8.05 160.224,8.05 160.674,8.05 161.124,8.05 161.574,8.05 162.024,8.05 162.474,8.05 162.924,8.05 163.374,8.05 163.824,8.05 164.274,8.05 164.724,8.05 165.174,8.05 165.624,8.05 166.074,8.05 166.524,8.05 166.974,8.05 167.424,8.05 167.874,8.05 168.324,8.05 168.774,8.05 169.224,8.05 169.674,8.05 170.124,8.05 170.574,8.05 171.024,8.05 171.474,8.05 171.924,8.05 172.374,8.05 172.824,8.05 173.274,8.05 173.724,8.05 174.174,8.05 174.624,8.05 175.074,8.05 185.874,8.05 186.324,8.05 186.774,8.05 187.224,8.05 188.574,8.05 189.024,8.05 147.399,8.5 147.849,8.5 148.299,8.5 148.749,8.5 149.199,8.5 149.649,8.5 150.099,8.5 150.549,8.5 150.999,8.5 151.449,8.5 151.899,8.5 152.349,8.5 152.799,8.5 153.249,8.5 153.699,8.5 159.549,8.5 159.999,8.5 160.449,8.5 160.899,8.5 161.349,8.5 161.799,8.5 162.249,8.5 162.699,8.5 163.149,8.5 163.599,8.5 164.049,8.5 164.499,8.5 164.949,8.5 165.399,8.5 165.849,8.5 166.299,8.5 166.749,8.5 167.199,8.5 167.649,8.5 168.099,8.5 168.549,8.5 168.999,8.5 169.449,8.5 169.899,8.5 170.349,8.5 170.799,8.5 171.249,8.5 171.699,8.5 172.149,8.5 172.599,8.5 173.049,8.5 173.499,8.5 173.949,8.5 174.399,8.5 174.849,8.5 175.299,8.5 185.649,8.5 186.099,8.5 186.549,8.5 186.999,8.5 188.349,8.5 188.799,8.5 189.249,8.5 147.624,8.95 148.074,8.95 148.524,8.95 148.974,8.95 149.424,8.95 149.874,8.95 150.324,8.95 150.774,8.95 151.224,8.95 151.674,8.95 152.124,8.95 152.574,8.95 153.024,8.95 153.474,8.95 159.324,8.95 159.774,8.95 160.224,8.95 160.674,8.95 161.124,8.95 161.574,8.95 162.024,8.95 162.474,8.95 162.924,8.95 163.374,8.95 163.824,8.95 164.274,8.95 164.724,8.95 165.174,8.95 165.624,8.95 166.074,8.95 166.524,8.95 166.974,8.95 167.424,8.95 167.874,8.95 168.324,8.95 168.774,8.95 169.224,8.95 169.674,8.95 170.124,8.95 170.574,8.95 171.024,8.95 171.474,8.95 171.924,8.95 172.374,8.95 172.824,8.95 173.274,8.95 173.724,8.95 174.174,8.95 174.624,8.95 175.074,8.95 185.874,8.95 147.399,9.4 147.849,9.4 148.299,9.4 148.749,9.4 149.199,9.4 149.649,9.4 150.099,9.4 150.549,9.4 150.999,9.4 151.449,9.4 151.899,9.4 152.349,9.4 152.799,9.4 153.249,9.4 153.699,9.4 154.149,9.4 159.099,9.4 159.549,9.4 159.999,9.4 160.449,9.4 160.899,9.4 161.349,9.4 161.799,9.4 162.249,9.4 162.699,9.4 163.149,9.4 163.599,9.4 164.049,9.4 164.499,9.4 164.949,9.4 165.399,9.4 165.849,9.4 166.299,9.4 166.749,9.4 167.199,9.4 167.649,9.4 168.099,9.4 168.549,9.4 168.999,9.4 169.449,9.4 169.899,9.4 170.349,9.4 170.799,9.4 171.249,9.4 171.699,9.4 172.149,9.4 172.599,9.4 173.049,9.4 173.499,9.4 173.949,9.4 174.399,9.4 174.849,9.4 175.299,9.4 185.649,9.4 186.099,9.4 189.249,9.4 147.624,9.85 148.074,9.85 148.524,9.85 148.974,9.85 149.424,9.85 149.874,9.85 150.324,9.85 150.774,9.85 151.224,9.85 151.674,9.85 152.124,9.85 152.574,9.85 153.024,9.85 153.474,9.85 153.924,9.85 154.374,9.85 158.424,9.85 158.874,9.85 159.324,9.85 159.774,9.85 160.224,9.85 160.674,9.85 161.124,9.85 161.574,9.85 162.024,9.85 162.474,9.85 162.924,9.85 163.374,9.85 163.824,9.85 164.274,9.85 164.724,9.85 165.174,9.85 165.624,9.85 166.074,9.85 166.524,9.85 166.974,9.85 167.424,9.85 167.874,9.85 168.324,9.85 168.774,9.85 169.224,9.85 169.674,9.85 170.124,9.85 170.574,9.85 171.024,9.85 171.474,9.85 171.924,9.85 172.374,9.85 172.824,9.85 173.274,9.85 173.724,9.85 174.174,9.85 174.624,9.85 175.074,9.85 147.399,10.3 147.849,10.3 148.299,10.3 148.749,10.3 149.199,10.3 149.649,10.3 150.099,10.3 150.549,10.3 150.999,10.3 151.449,10.3 151.899,10.3 152.349,10.3 152.799,10.3 153.249,10.3 153.699,10.3 154.149,10.3 154.599,10.3 155.049,10.3 155.499,10.3 157.299,10.3 157.749,10.3 158.199,10.3 158.649,10.3 159.099,10.3 159.549,10.3 159.999,10.3 160.449,10.3 160.899,10.3 161.349,10.3 161.799,10.3 162.249,10.3 162.699,10.3 163.149,10.3 163.599,10.3 164.049,10.3 164.499,10.3 164.949,10.3 165.399,10.3 165.849,10.3 166.299,10.3 166.749,10.3 167.199,10.3 167.649,10.3 168.099,10.3 168.549,10.3 168.999,10.3 169.449,10.3 169.899,10.3 170.349,10.3 170.799,10.3 171.249,10.3 171.699,10.3 172.149,10.3 172.599,10.3 173.049,10.3 173.499,10.3 173.949,10.3 174.399,10.3 174.849,10.3 175.299,10.3 189.249,10.3 147.624,10.75 148.074,10.75 148.524,10.75 148.974,10.75 149.424,10.75 149.874,10.75 150.324,10.75 150.774,10.75 151.224,10.75 151.674,10.75 152.124,10.75 152.574,10.75 153.024,10.75 153.474,10.75 153.924,10.75 154.374,10.75 154.824,10.75 155.274,10.75 155.724,10.75 157.074,10.75 157.524,10.75 157.974,10.75 158.424,10.75 158.874,10.75 159.324,10.75 159.774,10.75 160.224,10.75 160.674,10.75 161.124,10.75 161.574,10.75 162.024,10.75 162.474,10.75 162.924,10.75 163.374,10.75 163.824,10.75 164.274,10.75 164.724,10.75 165.174,10.75 165.624,10.75 166.074,10.75 166.524,10.75 166.974,10.75 167.424,10.75 167.874,10.75 168.324,10.75 168.774,10.75 169.224,10.75 169.674,10.75 170.124,10.75 170.574,10.75 171.024,10.75 171.474,10.75 171.924,10.75 172.374,10.75 172.824,10.75 173.274,10.75 173.724,10.75 174.174,10.75 174.624,10.75 175.074,10.75 175.524,10.75 187.674,10.75 188.124,10.75 188.574,10.75 189.024,10.75 147.399,11.2 147.849,11.2 148.299,11.2 148.749,11.2 149.199,11.2 149.649,11.2 150.099,11.2 150.549,11.2 150.999,11.2 151.449,11.2 151.899,11.2 152.349,11.2 152.799,11.2 153.249,11.2 153.699,11.2 154.149,11.2 154.599,11.2 155.049,11.2 155.499,11.2 157.299,11.2 157.749,11.2 158.199,11.2 158.649,11.2 159.099,11.2 159.549,11.2 159.999,11.2 160.449,11.2 160.899,11.2 161.349,11.2 161.799,11.2 162.249,11.2 162.699,11.2 163.149,11.2 163.599,11.2 164.049,11.2 164.499,11.2 164.949,11.2 165.399,11.2 165.849,11.2 166.299,11.2 166.749,11.2 167.199,11.2 167.649,11.2 168.099,11.2 168.549,11.2 168.999,11.2 169.449,11.2 169.899,11.2 170.349,11.2 170.799,11.2 171.249,11.2 171.699,11.2 172.149,11.2 172.599,11.2 173.049,11.2 173.499,11.2 173.949,11.2 174.399,11.2 174.849,11.2 175.299,11.2 175.749,11.2 186.999,11.2 187.449,11.2 187.899,11.2 188.349,11.2 188.799,11.2 189.249,11.2 147.624,11.65 148.074,11.65 148.524,11.65 148.974,11.65 149.424,11.65 149.874,11.65 150.324,11.65 150.774,11.65 151.224,11.65 151.674,11.65 152.124,11.65 152.574,11.65 153.024,11.65 153.474,11.65 153.924,11.65 154.374,11.65 154.824,11.65 155.274,11.65 155.724,11.65 157.074,11.65 157.524,11.65 157.974,11.65 158.424,11.65 158.874,11.65 159.324,11.65 159.774,11.65 160.224,11.65 160.674,11.65 161.124,11.65 161.574,11.65 162.024,11.65 162.474,11.65 162.924,11.65 163.374,11.65 163.824,11.65 164.274,11.65 164.724,11.65 165.174,11.65 165.624,11.65 166.074,11.65 166.524,11.65 166.974,11.65 167.424,11.65 167.874,11.65 168.324,11.65 168.774,11.65 169.224,11.65 169.674,11.65 170.124,11.65 170.574,11.65 171.024,11.65 171.474,11.65 171.924,11.65 172.374,11.65 172.824,11.65 173.274,11.65 173.724,11.65 174.174,11.65 174.624,11.65 175.074,11.65 175.524,11.65 175.974,11.65 176.424,11.65 176.874,11.65 177.324,11.65 177.774,11.65 178.224,11.65 186.774,11.65 187.224,11.65 187.674,11.65 188.124,11.65 188.574,11.65 189.024,11.65 147.399,12.1 147.849,12.1 148.299,12.1 148.749,12.1 149.199,12.1 149.649,12.1 150.099,12.1 150.549,12.1 150.999,12.1 151.449,12.1 151.899,12.1 152.349,12.1 152.799,12.1 153.249,12.1 153.699,12.1 154.149,12.1 154.599,12.1 155.049,12.1 155.499,12.1 157.299,12.1 157.749,12.1 158.199,12.1 158.649,12.1 159.099,12.1 159.549,12.1 159.999,12.1 160.449,12.1 160.899,12.1 161.349,12.1 161.799,12.1 162.249,12.1 162.699,12.1 163.149,12.1 163.599,12.1 164.049,12.1 164.499,12.1 164.949,12.1 165.399,12.1 165.849,12.1 166.299,12.1 166.749,12.1 167.199,12.1 167.649,12.1 168.099,12.1 168.549,12.1 168.999,12.1 169.449,12.1 169.899,12.1 170.349,12.1 170.799,12.1 171.249,12.1 171.699,12.1 172.149,12.1 172.599,12.1 173.049,12.1 173.499,12.1 173.949,12.1 174.399,12.1 174.849,12.1 175.299,12.1 175.749,12.1 176.199,12.1 176.649,12.1 177.099,12.1 177.549,12.1 177.999,12.1 181.149,12.1 186.099,12.1 186.549,12.1 186.999,12.1 187.449,12.1 187.899,12.1 188.349,12.1 188.799,12.1 189.249,12.1 147.624,12.55 148.074,12.55 148.524,12.55 148.974,12.55 149.424,12.55 149.874,12.55 150.324,12.55 150.774,12.55 151.224,12.55 151.674,12.55 152.124,12.55 152.574,12.55 153.024,12.55 153.474,12.55 153.924,12.55 154.374,12.55 154.824,12.55 155.274,12.55 155.724,12.55 157.074,12.55 157.524,12.55 157.974,12.55 158.424,12.55 158.874,12.55 159.324,12.55 159.774,12.55 160.224,12.55 160.674,12.55 161.124,12.55 161.574,12.55 162.024,12.55 162.474,12.55 162.924,12.55 163.374,12.55 163.824,12.55 164.274,12.55 164.724,12.55 165.174,12.55 165.624,12.55 166.074,12.55 166.524,12.55 166.974,12.55 167.424,12.55 167.874,12.55 168.324,12.55 168.774,12.55 169.224,12.55 169.674,12.55 170.124,12.55 170.574,12.55 171.024,12.55 171.474,12.55 171.924,12.55 172.374,12.55 172.824,12.55 173.274,12.55 173.724,12.55 174.174,12.55 174.624,12.55 175.074,12.55 175.524,12.55 175.974,12.55 176.424,12.55 176.874,12.55 177.324,12.55 177.774,12.55 178.224,12.55 181.374,12.55 181.824,12.55 185.874,12.55 186.324,12.55 186.774,12.55 187.224,12.55 187.674,12.55 188.124,12.55 188.574,12.55 189.024,12.55 147.399,13 147.849,13 148.299,13 148.749,13 149.199,13 149.649,13 150.099,13 150.549,13 150.999,13 151.449,13 151.899,13 152.349,13 152.799,13 153.249,13 153.699,13 154.149,13 154.599,13 155.049,13 155.499,13 157.299,13 157.749,13 158.199,13 158.649,13 159.099,13 159.549,13 159.999,13 160.449,13 160.899,13 161.349,13 161.799,13 162.249,13 162.699,13 163.149,13 163.599,13 164.049,13 164.499,13 164.949,13 165.399,13 165.849,13 166.299,13 166.749,13 167.199,13 167.649,13 168.099,13 168.549,13 168.999,13 169.449,13 169.899,13 170.349,13 170.799,13 171.249,13 171.699,13 172.149,13 172.599,13 173.049,13 173.499,13 173.949,13 174.399,13 174.849,13 175.299,13 175.749,13 176.199,13 176.649,13 177.099,13 177.549,13 177.999,13 181.149,13 181.599,13 182.049,13 182.499,13 182.949,13 183.399,13 183.849,13 184.299,13 184.749,13 185.199,13 185.649,13 186.099,13 186.549,13 186.999,13 187.449,13 187.899,13 188.349,13 188.799,13 189.249,13 174.174,13.45 174.624,13.45 175.074,13.45 175.524,13.45 175.974,13.45 176.424,13.45 176.874,13.45 177.324,13.45 177.774,13.45 178.224,13.45 181.374,13.45 181.824,13.45 182.274,13.45 182.724,13.45 183.174,13.45 183.624,13.45 184.074,13.45 184.524,13.45 184.974,13.45 185.424,13.45 185.874,13.45 186.324,13.45 186.774,13.45 187.224,13.45 187.674,13.45 188.124,13.45 188.574,13.45 189.024,13.45 174.849,13.9 175.299,13.9 175.749,13.9 176.199,13.9 176.649,13.9 177.099,13.9 177.549,13.9 177.999,13.9 178.449,13.9 178.899,13.9 180.249,13.9 180.699,13.9 181.149,13.9 181.599,13.9 182.049,13.9 182.499,13.9 182.949,13.9 183.399,13.9 183.849,13.9 184.299,13.9 184.749,13.9 185.199,13.9 185.649,13.9 186.099,13.9 186.549,13.9 186.999,13.9 187.449,13.9 187.899,13.9 188.349,13.9 188.799,13.9 189.249,13.9 175.074,14.35 175.524,14.35 175.974,14.35 176.424,14.35 176.874,14.35 177.324,14.35 177.774,14.35 178.224,14.35 178.674,14.35 179.124,14.35 180.474,14.35 180.924,14.35 181.374,14.35 181.824,14.35 182.274,14.35 182.724,14.35 183.174,14.35 183.624,14.35 184.074,14.35 184.524,14.35 184.974,14.35 185.424,14.35 185.874,14.35 186.324,14.35 186.774,14.35 187.224,14.35 187.674,14.35 188.124,14.35 188.574,14.35 189.024,14.35
GPIO1_N: R_Temp1_N.2 U1_N.27 | length 6.7
  Top Copper w0.102: v3(-6.4,-22.25) -5.7,-21.55 -5.7,-16.675 -5.625,-16.6 U1_N.27@-4.9,-16.6
GPIO1_P: R_Temp1_P.2 U1_P.27 | length 3
  Top Copper w0.102: v3(3.6,-7.1) U1_P.27@4.8,-7.1
  Bottom Copper w0.102: v3(3.6,-7.1) 3.665,-7.035 3.665,-6.835 4.401,-6.099 4.401,-6.074 4.725,-5.75 R_Temp1_P.2@4.75,-5.75
GPIO2_N: R_Temp2_N.2 U1_N.28 | length 4.4
  Top Copper w0.102: v3(-6.35,-19.475) -5.975,-19.1 -5.975,-16.475 -5.6,-16.1 U1_N.28@-4.9,-16.1
GPIO2_P: R_Temp2_P.2 U1_P.28 | length 3.2
  Top Copper w0.102: v3(3.6,-8) 4,-7.6 U1_P.28@4.8,-7.6
  Bottom Copper w0.102: v3(3.6,-8) 4.1,-8.5 R_Temp2_P.2@4.75,-8.5 ; R_Temp2_P.2@4.701,-8.699 5.025,-8.375 R_Temp2_P.2@5.05,-8.375
GPIO3_N: R_Temp3_N.2 U1_N.29 | length 2.3
  Top Copper w0.102: v3(-6.375,-16.75) -6.375,-16.075 -5.9,-15.6 U1_N.29@-4.9,-15.6
GPIO3_P: R_Temp3_P.2 U1_P.29 | length 6.1
  Top Copper w0.102: U1_P.29@4.8,-8.1 6.65,-8.1 8.75,-6 v3(8.75,-5.25)
  Bottom Copper w0.102: v3(8.75,-5.25) R_Temp3_P.2@8.75,-4.75
GPIO4_N: R_Temp4_N.2 U1_N.32 | length 1.5
  Top Copper w0.102: v3(-6.4,-14) -6.306,-14 -6.206,-14.1 U1_N.32@-4.9,-14.1
GPIO4_P: R_Temp4_P.2 U1_P.32 | length 4.7
  Top Copper w0.102: U1_P.32@4.8,-9.6 6.85,-9.6 v3(8.75,-7.7)
IBIAS_N: R2_N.2 U_Power_N.16 | length 1.5
  Top Copper w0.102: R2_N.2@-7.75,0.184 U_Power_N.16@-6.251,0.184
IBIAS_P: R2_P.2 U_Power_P.16 | length 1.5
  Top Copper w0.102: R2_P.2@2.25,0.25 2.316,0.184 U_Power_P.16@3.749,0.184
ICMP_N: R2_N.1 R3_N.2 U_Power_N.15 | length 5.9
  Top Copper w0.102: R3_N.2@-9.25,-1.25 -9.25,-0.533 ; R2_N.1@-9.25,0.184 -9.25,-0.533 ; U_Power_N.15@-5.751,0.184 -5.807,0.128 -5.807,-0.607 -6,-0.8 -6.9,-0.8 -7.167,-0.533 -9.25,-0.533
ICMP_P: R2_P.1 R3_P.2 U_Power_P.15 | length 5.9
  Top Copper w0.102: R3_P.2@0.75,-1.25 0.75,-0.5 ; R2_P.1@0.75,0.25 0.75,-0.5 ; U_Power_P.15@4.249,0.184 4.249,-0.6 4.183,-0.667 3.546,-0.667 3.379,-0.5 0.75,-0.5
IMA_ISON: R_IMA2.1 X_ISO.P$1 | length 1.5
  Top Copper w0.102: R_IMA2.1@-5,19.8 -5,20.57 X_ISO.P$1@-4.5,21.07
IMA_ISOP: R_IMA1.1 X_ISO.P$3 | length 1.8
  Top Copper w0.102: R_IMA1.1@1,19.8 1.257,20.057 ; R_IMA1.1@1.257,19.707 1.257,20.827 X_ISO.P$3@1.5,21.07
IMA_N: R_IPMA_N.1 U_Power_N.10 XFMR1.1 | length 6.6
  Top Copper w0.102: R_IPMA_N.1@-8.25,3 -5.523,3 -5.4,2.876 -5.256,2.876 -4.797,2.417 -4.797,2.285 -3.457,0.946 -3.457,0.934 -3.249,0.726 U_Power_N.10@-3.249,0.184
IMA_P: R_IPMA_P.1 U_Power_P.10 XFMR1.4 | length 19.4
  Top Copper w0.102: XFMR1.4@1.203,2.273 1.203,2.417 1.662,2.876 1.806,2.876 5.93,7 R_IPMA_P.1@8.25,7 ; U_Power_P.10@6.692,0.852 6.692,0.244 U_Power_P.10@6.751,0.184 6.751,0.833 v3(8.001,2.083)
  Signal Layer 2 w0.102: v3(1.194,2.946) 7.137,2.946 v3(8.001,2.083)
IPA_ISON: R_IPA2.1 X_ISO.P$2 | length 1.8
  Top Copper w0.102: X_ISO.P$2@-1.5,21.07 -1.257,20.827 R_IPA2.1@-1.257,19.707 ; -1.257,20.057 R_IPA2.1@-1,19.8
IPA_ISOP: R_IPA1.1 X_ISO.P$4 | length 1.5
  Top Copper w0.102: X_ISO.P$4@4.5,21.07 5,20.57 R_IPA1.1@5,19.8
IPA_N: C_IPMA_N.1 U_Power_N.11 XFMR1.3 | length 15.4
  Top Copper w0.102: v3(-3.759,-1.041) -3.749,-1.032 U_Power_N.11@-3.749,0.184
  Signal Layer 2 w0.102: v3(-8.25,7) -4.222,2.972 v3(-0.965,2.972) -3.759,0.178 v3(-3.759,-1.041)
IPA_P: C_IPMA_P.1 U_Power_P.11 XFMR1.6 | length 6.6
  Top Copper w0.102: U_Power_P.11@6.251,0.743 U_Power_P.11@6.251,0.184 6.179,0.256 6.179,0.964 5.769,1.374 5.662,1.374 5.203,1.833 5.203,2.273 5.203,2.417 5.662,2.876 5.806,2.876 5.93,3 C_IPMA_P.1@8.25,3
NEG1_C1: C1_N.2 C_1.- C_1.T- C_2.T- C_3.T- C_4.T- C_5.T- C_5V_AO_N.2 C_6.T- C_7.T- C_8.T- C_CT_N.2 C_Temp1_N.1 C_Temp2_N.1 C_Temp3_N.1 C_Temp4_N.1 C_V1_N.1 C_V_1.1 C_V_2.1 C_V_3.1 C_V_4.1 C_V_5.1 C_V_6.1 C_V_7.1 C_V_8.1 C_VREF1_N.1 C_VREF2_N.1 C_VREG1_N.1 C_VREG2_N.1 J_A0_N.1 J_A1_N.1 J_A2_N.1 J_A3_N.1 Q1_N.2 Q1_N.3 Q1_N.4 Q2_N.2 Q_D_1.3 R3_N.1 R_5V_N.1 R_Input1_N.2 R_TUNE_1.1 U1_N.30 U1_N.31 U1_N.36 U1_N.40 U_Power_N.1 U_Power_N.12 U_Power_N.13 U_Power_N.14 | length 104.5
  Top Copper w0.102: C_1.-@-179.7,22.5 C_1.-@-178.2,21 ; v3(-9.8,4.988) -9.788,5 C_CT_N.2@-9.75,5 ; v3(-9.75,-25.95) v3(-7.75,-25.95) v3(-5.75,-25.95) v3(-3.75,-25.95) ; C_5V_AO_N.2@-8.433,8.25 -8.433,8.212 v3(-8.421,8.2) ; v3(-8.4,-11.874) -8.392,-11.874 -8.166,-12.1 U1_N.36@-4.9,-12.1 ; v3(-8.4,-10.2) -8.306,-10.2 -8.206,-10.1 U1_N.40@-4.9,-10.1 ; R3_N.1@-7.75,-1.25 -7.745,-1.255 -6.234,-1.255 ; U_Power_N.1@-6.251,-4.184 -6.251,-1.273 -6.234,-1.255 ; U_Power_N.14@-5.251,0.184 U_Power_N.13@-4.75,0.184 ; U_Power_N.12@-4.25,0.184 U_Power_N.13@-4.75,0.184 ; C_VREG2_N.1@-1.25,-9.9 C_VREF1_N.1@-1.25,-11.07 C_VREF2_N.1@-1.25,-12.2 -1.194,-12.256 v3(-1.194,-12.533) ; -6.234,-1.255 v3(-5.334,-1.255) -5.255,-1.255 -4.742,-0.742 -4.742,-0.658 -4.75,-0.65 U_Power_N.13@-4.75,0.184
  Top Copper w0.305: v3(-187.75,-5.1) -187.75,-8.525 R_TUNE_1.1@-184.075,-12.2
  Signal Layer 1 w0.102: -180.196,8.4 -180.096,8.3 C_1.T-@-179.1,8.3 ; C_1.-@-180.175,22.025 C_1.-@-179.7,22.5 ; C_2.T-@-157.5,-8.3 -157.5,-3.251 ; -133.5,3.251 C_3.T-@-133.5,8.3 ; C_4.T-@-111.9,-8.3 -111.9,-3.251 ; -87.9,3.251 C_5.T-@-87.9,8.3 ; C_6.T-@-66.3,-8.3 -66.3,-3.251 ; -42.3,3.251 C_7.T-@-42.3,8.3 ; C_8.T-@-20.7,-8.3 -20.7,-3.251
  Signal Layer 1 w0.305: v3(-180.2,3.5) -180.196,3.504 -180.196,8.4 -180.196,8.674 -180.2,8.678 -180.2,22 C_1.-@-180.175,22.025
  Bottom Copper w0.102: v3@-8.4,-11.9 -8.38,-11.88 -8.386,-11.874 v3(-8.4,-11.874)
  Bottom Copper w0.305: Q_D_1.3@-187.75,-5.05 -187.329,-5.05 -186.882,-4.602 -186.882,-4.182 -184.052,-1.352 -184.052,3.146 -183.698,3.5 v3(-180.2,3.5)
  other v1: -8.076,10.75 -4.926,10.75 -4.476,10.75 -4.026,10.75 -3.126,10.75 -5.151,11.2 -4.701,11.2 -4.251,11.2 -3.801,11.2 -3.351,11.2 -2.901,11.2 -1.551,11.2 -1.101,11.2 -4.926,11.65 -4.476,11.65 -4.026,11.65 -0.876,11.65 -9.201,12.1 -8.751,12.1 -5.151,12.1 -4.701,12.1 -4.251,12.1 -3.801,12.1 -8.976,12.55 -4.926,12.55 -4.476,12.55 -4.026,12.55 -0.876,12.55 -5.151,13 -4.701,13 -4.251,13 -3.801,13 -4.926,13.45 -4.476,13.45 -4.026,13.45 -0.876,13.45 -5.151,13.9 -4.701,13.9 -4.251,13.9 -3.801,13.9 -4.926,14.35 -4.476,14.35 -4.026,14.35 -0.876,14.35
  other v2: -179.7,18.5 -181.068,18.741 -178.332,18.741 -182.271,19.436 -177.129,19.436 -183.164,20.5 -176.236,20.5 -183.639,21.805 -175.761,21.805 -183.639,23.195 -175.761,23.195 -183.164,24.5 -176.236,24.5 -182.271,25.564 -177.129,25.564 -181.068,26.259 -178.332,26.259 -179.7,26.5
  other v3: -9,-21 -3.1,-18.55 -1.9,-18.55 -9.068,-17.835 -9,-15.473 -5.2,-14.8 -4.4,-14.8 -0.593,-2.674 -170.725,-2.1 -125.125,-2.1 -79.525,-2.1 -33.925,-2.1 -165.875,2.1 -120.275,2.1 -74.675,2.1 -29.075,2.1